# Altium PCB PCB_Core.PcbDoc (part 2 of 2)
Units mil, origin at the board's own origin, x right, y up, seen from the top; angles counter-clockwise.
Board outline 3149.61 x 3149.61 mil, 4 copper layers (Top Layer 1, GND, Power, Bottom Layer 1), stack 59.528 mil thick; 122 components, 101 nets, 562 pads, 232 vias.
Unrouted connection lines stored in the file: 17.
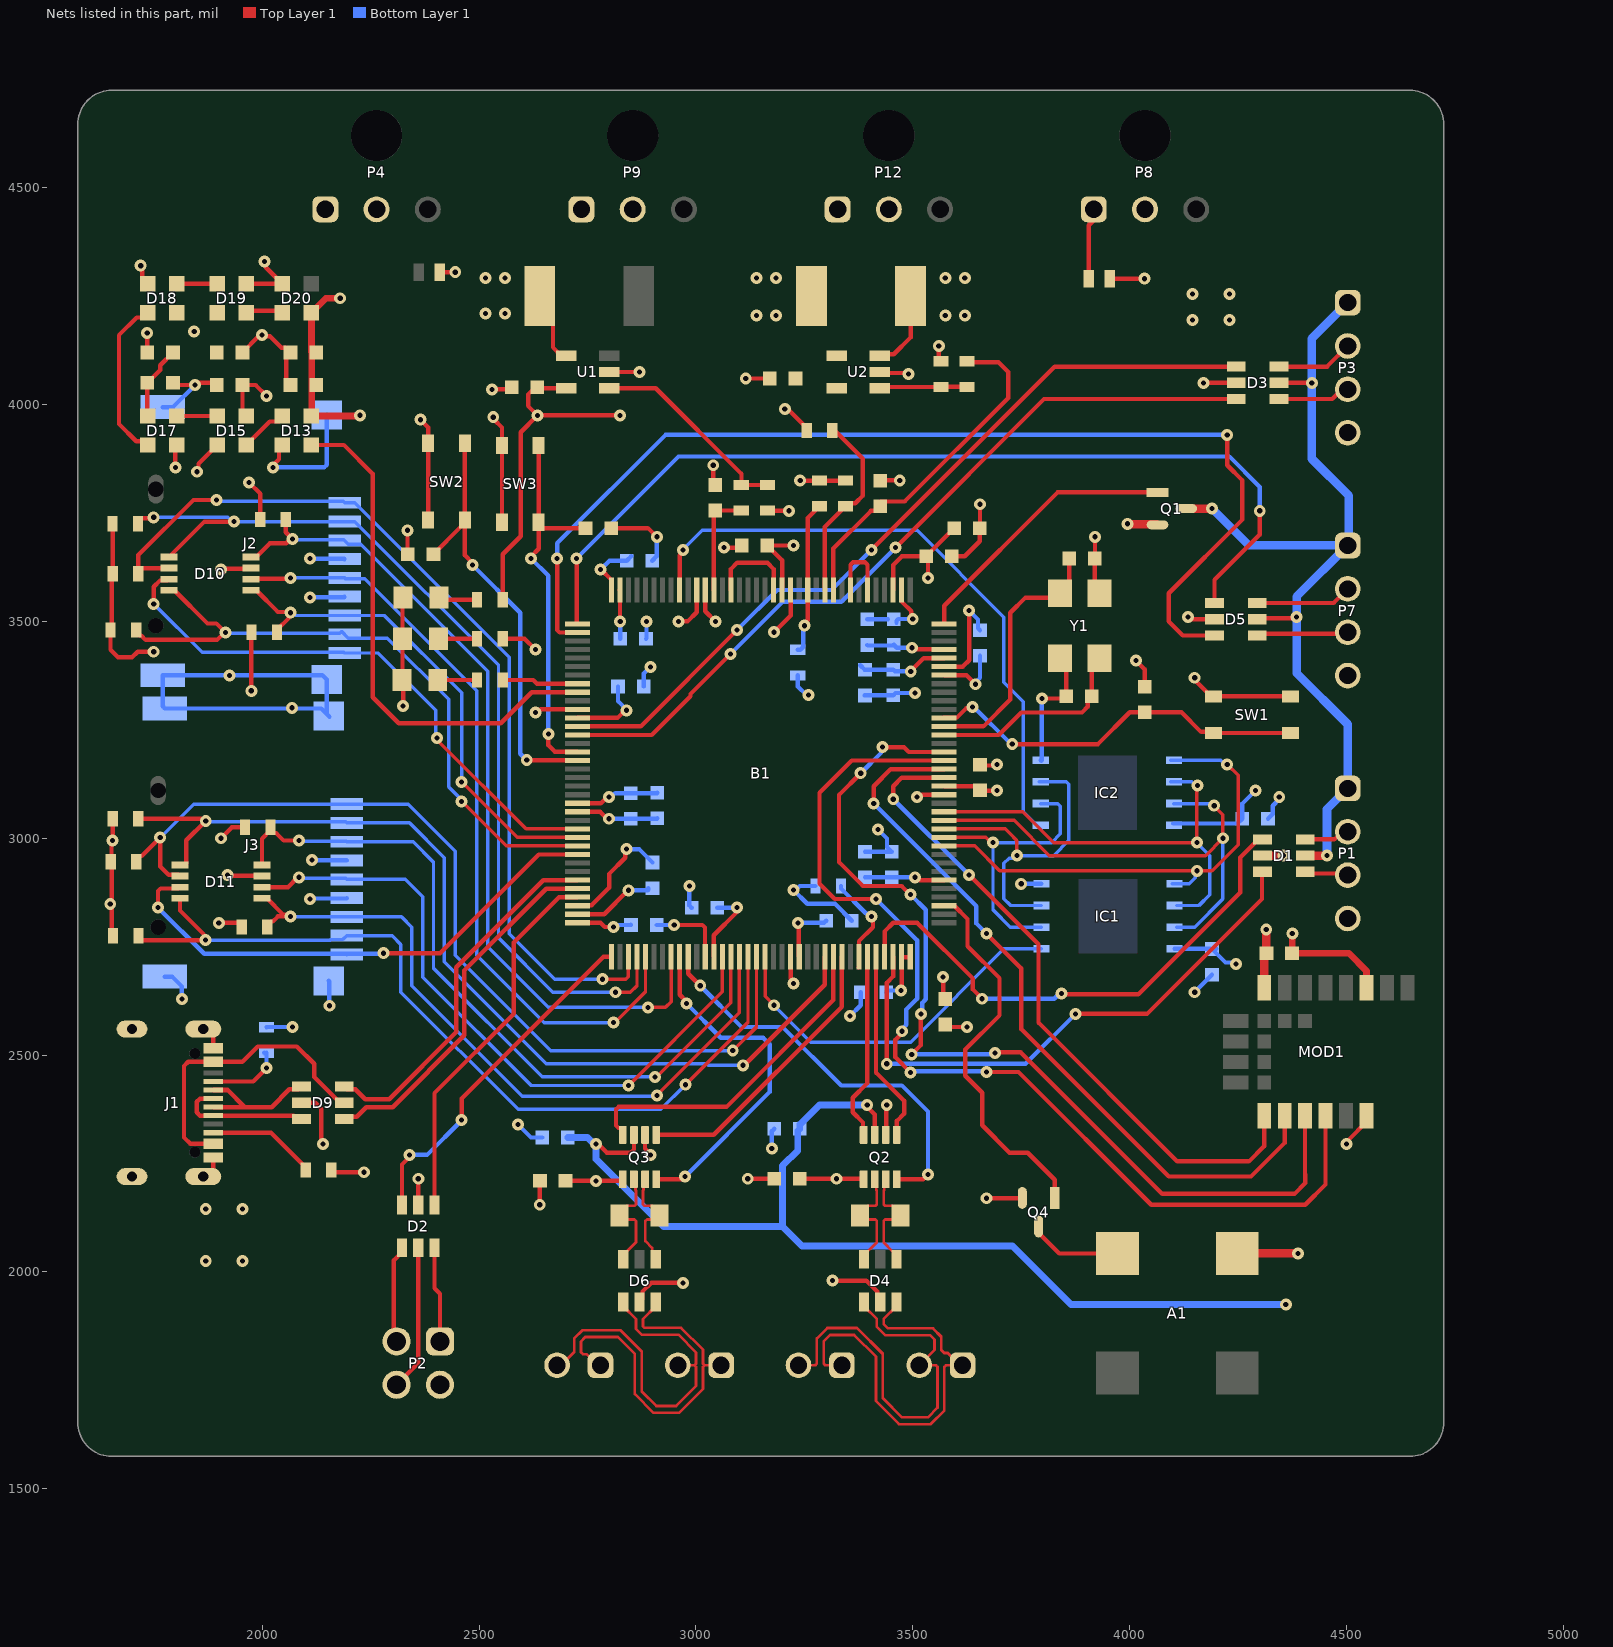
[diagram p4: the nets of this part, all layers, seen from the top]

## Via types
v1: diameter 27.56, hole 11.81, Top Layer 1 to Bottom Layer 1, 228 vias
v2: diameter 137.8, hole 137.8, Top Layer 1 to Bottom Layer 1, 4 vias

## Nets (pads, with @x,y where several pads share a name; then routed paths per layer and width w, separated by ;. In a path a pad name is that pad's centre, name@x,y a point inside that pad or via, vN(x,y) a via of type N, cw(c..) or ccw(c..) an arc to the next point about the centre after c; other vN are vias at no path point) (continued)
3V3_Current-: B1.17 B1.30 B1.39 B1.52 B1.62 B1.72 B1.84 B1.108 B1.121 B1.131 B1.143 B1.144 C3.1 C4.1 C5.1 C6.1 C7.1 C8.1 C9.1 C10.1 C11.1 C12.1 C13.1 C14.1 C31.1 C32.1 C34.1 C37.2 C38.2 C39.2 C40.2 C43.2 C44.2 D13.2 D15.2 D17.2 D18.2 D19.2 D20.2 J2.4 J3.4 MOD1.8 Q2.5 Q3.5 R3.2 R5.1 R16.1 R17.1 R18.1 R19.1 R20.1 R21.1 R22.1 R23.1 R24.1 R25.1 R28.2 SW2.2 SW3.2 U1.4 | length 5024.7
  Top Layer 1 w10: v1(1649.76,2848.09) 1652.97,2844.87 1652.97,2777.97 R25.1@1655.94,2775 ; v1@1650,2850 1650,2853.08 1653.36,2856.44 1653.36,2943.53 R20.1@1650.71,2946.18 1652.85,2948.33 1652.85,2992.85 v1(1655,2995) 1655.24,2995.24 1655.24,3044.76 R21.1@1655.47,3045 ; R17.1@1655,3725 1655.24,3724.76 1655.24,3610.24 R18.1@1655.47,3610 1652.97,3607.5 1652.97,3482.5 R23.1@1650.47,3480 1650.47,3434.53 1667.83,3417.17 1700.12,3417.17 1712.96,3430 v1(1750,3430) ; D17.2@1736.54,3973.46 1735.47,3974.53 C39.2@1735.47,4050 1765,4079.53 1765,4090.47 C40.2@1794.53,4120 ; v1@1842.89,4172.11 1842.89,4168.36 v1(1843.36,4168.36) v1@1847.11,4168.36 ; v1(1900,2805) 1945.95,2805 1952.76,2798.19 R24.1@1952.76,2795.51 ; v1(1905,3000) 1930,3025 R19.1@1960.47,3025 ; D15.2@1963.46,3973.46 1954.53,3982.4 C38.2@1954.53,4045 1985,4045 v1(2010,4020) ; v1(1970,3820) 1995.47,3794.53 R16.1@1995.47,3735 ; v1(1975,3340) 1975,3474.53 R22.1@1975.47,3475 ; v1(2365,3965) 2382.84,3947.16 SW2.2@2382.84,3910.74 SW2.2@2382.84,3733.57 ; v1@2535,3965 2552.84,3947.16 SW3.2@2552.84,3905.74 SW3.2@2552.84,3728.57 ; R28.2@2554.53,3460 2605,3460 v1(2630,3435) ; R5.1@2640,4250 2670.43,4219.57 2670.43,4131.73 2689.76,4112.4 U1.4@2701.57,4112.4 ; C34.1@2699.53,2210 v1(2770,2210) 2770.47,2210.45 2828.24,2210.45 Q3.5@2831.61,2213.82 ; B1.108@2703.72,2805.12 B1.108@2726.85,2805.12 2780.13,2805.12 2790.01,2795.24 2812.5,2795.24 v1@2812.74,2795 ; B1.84@2726.85,3277.56 2819.42,3277.56 2836.86,3295 v1(2840,3295) ; v1(2780,3620) 2780.61,3620 2805.12,3595.49 B1.72@2805.12,3572.36 ; v1(2960,3500) 2980.84,3500 3001.97,3521.13 B1.62@3001.97,3572.36 ; B1.121@3041.34,2726.85 3041.34,2776.59 3095,2830.25 v1(3095,2840) ; B1.52@3198.82,3572.36 3198.82,3640.71 C10.1@3164.53,3675 v1(3225,3675) ; v1(3235,2805) 3237.28,2802.72 3237.28,2727.76 B1.131@3238.19,2726.85 ; C32.1@3239.53,2215 v1(3324.53,2215) ; v1@3325,2215 3385.43,2215 Q2.5@3386.61,2213.82 ; B1.39@3454.72,3572.36 3454.86,3572.5 3454.86,3629.86 3475,3650 C11.1@3530.94,3650 ; v1(3473.09,2648.81) 3474.7,2650.42 3474.7,2707.46 B1.143@3474.7,2725.33 ; B1.143@3474.41,2726.85 3474.7,2726.56 B1.143@3474.7,2725.33 ; B1.144@3494.09,2726.85 3493.19,2725.94 3475.31,2725.94 B1.143@3474.7,2725.33 ; v1(3535,3600) 3535,3645.94 C11.1@3530.94,3650 ; v1(3570,2680) 3570,2634.53 C7.1@3575,2629.53 ; B1.17@3572.36,3120.08 C12.1@3655,3120.08 ; B1.30@3572.36,3375.98 3624.02,3375.98 v1(3645,3355) ; C3.1@3595,3715.47 C3.1@3595.47,3715 3541.69,3661.22 3541.69,3660.75 C11.1@3530.94,3650 ; C12.1@3655,3109.61 3684.61,3109.61 v1@3685,3110 ; C12.1@3655,3110.47 3655.47,3110 v1(3694.53,3110)
  Top Layer 1 w15.75: v1(2180,4245) 2146.93,4245 D20.2@2113.46,4211.54 2113.46,4121.06 2114.53,4120 2114.53,3974.53 D13.2@2113.46,3973.46 2224.26,3973.46 v1(2225.95,3975.16)
  Top Layer 1 w19.68: MOD1.8@4310,2655.28 4310,2729.53 C31.1@4315.47,2735 4315,2735.47 v1(4315,2790)
  Bottom Layer 1 w10: v1(2110,3645) 2110.73,3644.27 2189.31,3644.27 J2.4@2190.04,3643.54 ; v1(2115,2950) 2115.67,2949.33 2194.45,2949.33 J3.4@2195.12,2948.66 ; v1(2780,3620) 2780.7,3620 2800.7,3640 C14.1@2840.47,3640 C14.1@2851.22,3650.75 ; v1(2810.47,2795) 2815.22,2795 2820.22,2800 C13.1@2850.47,2800 C13.1@2850,2800.47 ; C9.1@2820.47,3350 2820.47,3316.17 2840,3296.65 v1(2840,3295) ; C5.1@3049.53,2840 v1(3095,2840) ; v1(3235,2805) 3295.47,2805 C4.1@3300.47,2810 ; R3.2@3235,3375.47 3235,3350 v1@3255,3330 ; C6.1@3439.06,2645 3442.87,2648.81 v1(3473.09,2648.81) ; v1(3645,3355) 3645,3359.75 3655,3369.75 C8.1@3655,3420.47
  other v1: 3260,3330 2532.84,3970.74 2515,4210 2560,4210 2515,4291.34 2560,4291.34
3V3_Follower: B1.53 B1.58 | length 207
  Top Layer 1 w10: B1.58@3080.71,3572.36 3080.71,3620.71 3095,3635 3165,3635 3179.13,3620.87 B1.53@3179.13,3572.36
3V3_V_Sensing: B1.49 R3.1 R7.2 | length 355.1
  Top Layer 1 w10: v1(3250,3490) 3250,3494.75 3257.87,3502.63 3257.87,3738.35 R7.2@3285,3765.47
  Bottom Layer 1 w10: R3.1@3235,3434.53 3240.91,3434.53 3247.72,3441.34 3247.72,3487.72 v1(3250,3490)
3V3Connector: D2.5 P2.4 | length 336.5
  Top Layer 1 w10: P2.4@2310,1740 2360,1790 D2.5@2360,2055.79
3V_ASensing: B1.60 C28.2 R8.2 | length 244.6
  Top Layer 1 w10: B1.60@3041.34,3572.36 3041.34,3751.81 C28.2@3045,3755.47 R8.2@3105,3755.47
5V_ASensing: B1.46 C29.2 R9.2 | length 814
  Top Layer 1 w10: B1.46@3316.93,3572.36 3316.93,3668.15 3403.5,3754.72 3414.25,3754.72 C29.2@3425,3765.47 3425,3776.22 3481.22,3776.22 3720,4015 3720,4075 3697.74,4097.26 3627.26,4097.26 R9.2@3625,4099.53
5V_Current+: D7.1 D9.5 J1.A4/B9 J1.A9/B4 P4.1 P8.1 P9.1 P12.1 R4.2 U2.3 | length 1041.7
  Top Layer 1 w10: J1.A9/B4@1886.93,2295.51 1834.49,2295.51 1820,2310 1820,2475 1829.49,2484.49 J1.A4/B9@1886.93,2484.49 1954.49,2484.49 1990,2520 2080,2520 2120,2480 2120,2449.37 2179.37,2390 D9.5@2189.21,2390 ; U2.3@3423.43,4112.4 3426.78,4115.76 3456.19,4115.76 3495,4154.57 R4.2@3495,4270 ; D7.1@3905.89,4290 3905.89,4413.48 P8.1@3917.32,4424.92
  other v1: 1870,2025 1955,2025 1870,2145 1955,2145 3575,4205 3620,4205 3575,4291.34 3620,4291.34
5V_Current-: A1.P C26.2 C27.2 C30.1 C33.1 C35.2 C36.2 D1.5 D3.5 D5.5 IC1.8 IC2.8 P1.4 P3.4 P7.4 Q2.3 Q3.3 R2.2 R4.1 R27.1 U1.5 U2.4 U2.5 | length 4071.1
  Top Layer 1 w10: R27.1@2554.53,3550 2554.53,3654.53 2596.19,3696.19 2596.19,3936.19 v1(2635,3975) ; U1.5@2701.57,4037.6 2627.6,4037.6 2613.17,4023.17 2613.17,3996.83 v1(2635,3975) ; v1(2770,2295) 2774.75,2295 2794.75,2275 2850,2275 2857.2,2282.2 Q3.3@2857.2,2316.18 ; v1(2825,3975) v1(2635,3975) ; v1(3205,3990) 3208.36,3986.64 3214.74,3986.64 3255.47,3945.91 R2.2@3255.47,3940 ; v1(3395,2385) 3395,2380.25 3412.2,2363.04 Q2.3@3412.2,2316.18 ; v1(4135,3510) 4140,3505 D5.5@4195.79,3505 ; v1(4170,4050) D3.5@4245.79,4050
  Top Layer 1 w19.68: A1.P@4247.8,2042.8 v1(4387.8,2042.8) ; D1.5@4306.57,2960 v1(4355,2960)
  Bottom Layer 1 w10: IC2.8@4100.92,3033.86 4248.86,3033.86 C36.2@4260,3045 4260,3080 v1(4290,3110) ; IC1.8@4103.62,2745 C35.2@4189.53,2745 ; C35.2@4199.53,2745 C35.2@4189.53,2745 ; v1(4245,2710) 4241.64,2713.36 4221.17,2713.36 C35.2@4190,2744.53 C35.2@4189.53,2745
  Bottom Layer 1 w15.75: C33.1@2704.53,2310 2750.25,2310 2765.25,2295 v1(2770,2295) 2770,2260 2925,2105 3200,2105 ; C30.1@3235,2325 3235,2280 3200,2245 3200,2105 ; C30.1@3239.53,2330 3239.53,2340 3240.28,2340.75 3240.75,2340.75 3285,2385 v1(3395,2385) ; v1(4360,1925) 3865,1925 3730,2060 3245,2060 3200,2105
  other v1: 4145,4195 4230,4195 3140,4205 3185,4205 4145,4255 4230,4255 3140,4291.34 3185,4291.34
5V_Follower: B1.42 B1.44 | length 160.4
  Top Layer 1 w10: B1.44@3356.3,3572.36 3356.3,3630.44 3362.16,3636.3 3389.81,3636.3 3395.67,3630.44 B1.42@3395.67,3572.36
5V_V_Sensing: B1.47 R2.1 R6.2 | length 443.8
  Top Layer 1 w10: B1.47@3297.24,3572.36 3297.24,3717.72 R6.2@3345,3765.47 3351.81,3772.28 3367.28,3772.28 3385,3790 3385,3875 R2.1@3317.26,3942.74
ALARM: B1.3 Q4.1 | length 882.7
  Top Layer 1 w10: B1.3@3572.36,2844.49 3595.49,2844.49 3626.24,2813.74 3626.24,2751.24 3700,2677.48 3700,2591.56 3621.22,2512.78 3621.22,2452.22 3660,2413.44 3660,2338.16 3723.16,2275 3765,2275 3827.4,2212.6 Q4.1@3827.4,2170.76
BUTTON_1: B1.89 C41.2 SW2.1 | length 1015.6
  Top Layer 1 w10: C41.2@2395,3655 2458.7,3718.7 2458.7,3724.79 SW2.1@2467.48,3733.57 ; SW2.1@2467.48,3910.74 SW2.1@2467.48,3733.57 ; v1(2485,3630) 2485,3634.75 2467.48,3652.27 SW2.1@2467.48,3733.57 ; v1(2610,3180) 2610.43,3179.57 2726.42,3179.57 B1.89@2726.85,3179.13
  Bottom Layer 1 w10: v1(2485,3630) 2595,3520 2595,3195 v1(2610,3180)
BUTTON_2: B1.88 C42.2 SW3.1 | length 895.3
  Top Layer 1 w10: v1(2620,3645) 2620,3649.75 2637.48,3667.24 2637.48,3723.78 2646.26,3715 C42.2@2745.47,3715 ; SW3.1@2637.48,3728.57 SW3.1@2637.48,3905.74 ; v1(2660,3240) 2660,3214.42 2674.69,3199.72 2725.94,3199.72 B1.88@2726.85,3198.82
  Bottom Layer 1 w10: v1(2620,3645) 2660,3605 v1(2660,3240)
CAM1_RX: B1.141 D1.4 | length 1226.6
  Top Layer 1 w10: B1.141@3435.04,2726.85 3435.04,2785.04 3455,2805 3510,2805 3638.61,2676.39 3638.61,2651.39 v1(3660,2630) ; v1(3843.17,2642.41) 3845.57,2640 4020,2640 4255,2875 4255,2955.67 4296.73,2997.4 D1.4@4306.57,2997.4
  Bottom Layer 1 w10: v1(3660,2630) 3826.01,2630 3838.42,2642.41 v1(3843.17,2642.41)
CAM1_TX: B1.142 D1.6 | length 1348.4
  Top Layer 1 w10: v1(3440,2480) 3440,2666.56 3454.72,2681.28 B1.142@3454.72,2726.85 ; v1(3875,2595) 4040,2595 4305,2860 4305,2921.02 D1.6@4306.57,2922.6 D1.6@4296.73,2922.6
  Bottom Layer 1 w10: v1(3440,2480) 3760,2480 v1(3875,2595)
CAM2_RX: B1.85 D3.4 | length 1862.5
  Top Layer 1 w10: B1.85@2726.85,3257.87 2872.87,3257.87 v1(3095,3480) ; v1(3405,3665) 3827.4,4087.4 D3.4@4245.79,4087.4
  Bottom Layer 1 w10: v1(3095,3480) 3187.5,3572.5 3312.5,3572.5 v1(3405,3665)
CAM2_TX: B1.86 D3.6 | length 1842.6
  Top Layer 1 w10: B1.86@2726.85,3238.19 2898.19,3238.19 2987.41,3327.41 2987.41,3332.41 v1(3080,3425) ; v1(3460,3670) 3802.6,4012.6 D3.6@4245.79,4012.6
  Bottom Layer 1 w10: v1(3080,3425) 3200,3545 3335,3545 v1(3460,3670)
CAM3_RX: B1.73 D5.4 | length 2164.3
  Top Layer 1 w10: v1(2725,3645) 2725,3495 2725.91,3494.09 B1.73@2726.85,3494.09 ; D5.4@4195.79,3542.4 4195.79,3595.79 4300,3700 v1(4300,3755)
  Bottom Layer 1 w10: v1(2725,3645) 2960,3880 4230,3880 4300,3810 v1(4300,3755)
CAM3_TX: B1.74 D5.6 | length 2531.7
  Top Layer 1 w10: v1(2680,3645) 2680,3480.27 2685.86,3474.41 B1.74@2726.85,3474.41 ; D5.6@4195.79,3467.6 4122.4,3467.6 4090,3500 4090,3565 4260,3735 4260,3825.12 4225,3860.12 v1(4225,3930)
  Bottom Layer 1 w10: v1(2680,3645) 2680,3680 2930,3930 v1(4225,3930)
CAM_ON: B1.36 Q1.1 | length 642.1
  Top Layer 1 w10: B1.36@3572.36,3494.09 3572.36,3536.11 3833.66,3797.4 Q1.1@4064.24,3797.4
CAN1_N: D4.6 Q2.6 R12.1 | length 255.9
  Top Layer 1 w6.3: D4.6@3387.6,2029.21 3387.6,2039.06 3417.13,2068.58 3417.13,2117.45 3413.44,2121.14 3387.6,2121.14 R12.1@3378.74,2130 3378.74,2134.92 3396.26,2152.44 3413.44,2152.44 3417.13,2156.13 3417.13,2187.51 3415.79,2188.84 3415.79,2210.24 Q2.6@3412.2,2213.82
CAN1_P: D4.4 Q2.7 R12.2 | length 255.9
  Top Layer 1 w6.3: Q2.7@3437.8,2213.82 3434.21,2210.24 3434.21,2188.84 3432.87,2187.51 3432.87,2156.13 3436.56,2152.44 3453.74,2152.44 3471.26,2134.92 R12.2@3471.26,2130 3462.4,2121.14 3436.56,2121.14 3432.87,2117.45 3432.87,2068.58 3453.74,2047.72 3462.4,2039.06 D4.4@3462.4,2029.21
CAN2_N: D6.6 Q3.6 R13.1 | length 255.9
  Top Layer 1 w6.3: D6.6@2832.6,2029.21 2832.6,2039.06 2862.13,2068.58 2862.13,2117.45 2858.44,2121.14 2832.6,2121.14 R13.1@2823.74,2130 2823.74,2134.92 2841.26,2152.44 2858.44,2152.44 2862.13,2156.13 2862.13,2187.51 2860.79,2188.84 2860.79,2210.24 Q3.6@2857.2,2213.82
CAN2_P: D6.4 Q3.7 R13.2 | length 247.9
  Top Layer 1 w6.3: Q3.7@2882.8,2213.82 2879.21,2210.24 2879.21,2188.84 2877.87,2187.51 2877.87,2156.13 2881.56,2152.44 2898.74,2152.44 2916.26,2134.92 R13.2@2916.26,2130 2907.4,2121.14 2887.21,2121.14 2883.52,2117.45 2883.52,2071.03 2899.25,2055.29 2899.25,2037.36 D6.4@2907.4,2029.21
CAN_1_STB: B1.118 Q2.8 | length 944.7
  Top Layer 1 w10: B1.118@2982.28,2726.85 2982.28,2687.72 v1(3010,2660) ; Q2.8@3463.39,2213.82 3523.82,2213.82 v1(3535,2225)
  Bottom Layer 1 w10: v1(3010,2660) 3105,2565 3200,2565 3335,2430 3475,2430 3535,2370 v1(3535,2225)
CAN_2_STB: B1.117 Q3.8 | length 799.5
  Top Layer 1 w10: Q3.8@2908.39,2213.82 2968.82,2213.82 v1(2975,2220) ; B1.117@2962.6,2726.85 2962.6,2639.37 2978.16,2623.8 v1(2978.16,2619.05)
  Bottom Layer 1 w10: v1@2975.35,2220.35 3170,2415 3170,2525 3155,2540 3057.21,2540 v1(2978.16,2619.05)
FDCAN1_RX: B1.139 Q2.4 | length 435.1
  Top Layer 1 w10: Q2.4@3386.61,2316.18 3385.42,2317.38 3385.42,2344.58 3361.64,2368.36 3361.64,2401.64 3394.76,2434.76 3394.76,2725.94 B1.139@3395.67,2726.85
FDCAN1_TX: B1.140 Q2.1 | length 444.3
  Top Layer 1 w10: B1.140@3415.35,2726.85 3415.35,2459.65 3480,2395 3480,2365 3463.39,2348.39 Q2.1@3463.39,2316.18
FDCAN2_RX: B1.135 Q3.4 | length 774.4
  Top Layer 1 w10: Q3.4@2831.61,2316.18 2831.61,2327.99 2827.76,2331.85 2821.57,2331.85 2815.71,2337.71 2815.71,2374.85 2821.57,2380.71 3070.71,2380.71 3316.93,2626.93 B1.135@3316.93,2726.85
FDCAN2_TX: B1.136 Q3.1 | length 665.8
  Top Layer 1 w10: Q3.1@2908.39,2316.18 3041.18,2316.18 3336.61,2611.61 B1.136@3336.61,2726.85
GND: B1.16 B1.31 B1.38 B1.51 B1.61 B1.83 B1.94 B1.107 B1.120 B1.130 C1.2 C2.2 C3.2 C4.2 C5.2 C6.2 C7.2 C8.2 C9.2 C10.2 C11.2 C12.2 C13.2 C14.2 C15.2 C16.2 C17.2 C18.2 C19.1 C20.1 C21.2 C22.2 C23.2 C24.2 C25.1 C26.1 C27.1 C28.1 C29.1 C30.2 C31.2 C32.2 C33.2 C34.2 C35.1 C36.1 C37.1 C38.1 C39.1 C40.1 C41.1 C42.1 C43.1 C44.1 D2.2 D4.2 D6.2 D7.2 D8.2 D9.2 D10.7 D11.7 D12.1 D13.4 D14.1 D15.4 D16.1 D17.4 D18.4 D19.4 D20.4 IC1.4 IC2.4 J1.A1/B12 J1.A12/B1 J1.Shell J2.6 J2.10 J2.11 J2.12 J2.13 J3.6 J3.10 J3.11 J3.12 J3.13 MOD1.3 MOD1.18 P2.2 P4.2 P8.2 P9.2 P12.2 Q1.2 Q2.2 Q3.2 Q4.2 R1.2 R6.1 R7.1 R10.1 R11.1 R14.2 R15.2 SW1.2 U1.2 U2.2 Y1.2 Y1.4 | length 8499.7
  Top Layer 1 w10: v1(1720,4320) 1720,4315.25 1723.82,4311.43 1723.82,4291.18 D18.4@1736.54,4278.46 ; v1(1735,4165) 1735,4130.75 1740.75,4125 1745,4125 1740,4120 C40.1@1735.47,4120 ; C39.1@1794.53,4050 1799.53,4045 v1(1845,4045) ; v1(1800,3855) 1800,3903.07 D17.4@1803.46,3906.54 ; v1@1845,4050 1890.47,4050 C38.1@1895.47,4045 ; v1(1850,3845) 1853.36,3848.36 1853.36,3863.36 D15.4@1896.54,3906.54 ; J1.Shell@1864.49,2219.92 1873.36,2219.92 1886.93,2233.49 J1.A12/B1@1886.93,2264.02 J1.A12/B1@1887.42,2264.51 ; J1.Shell@1864.49,2560.08 1873.36,2560.08 1886.93,2546.51 J1.A1/B12@1886.93,2515.98 ; v1(1905,3620) 1906.4,3621.4 1973.09,3621.4 D10.7@1974.49,3622.8 ; v1(1920,2915) 1921.1,2913.9 1998.39,2913.9 D11.7@1999.49,2912.8 ; C43.1@1954.53,4120 1991.17,4156.64 1996.64,4156.64 v1(2000,4160) 2002.61,4157.39 2018.09,4157.39 2044.72,4130.75 2054.72,4130.75 2055.47,4130 C37.1@2055.47,4045 ; D19.4@1963.46,4278.46 D20.4@2046.54,4278.46 2008.36,4316.64 2008.36,4326.64 v1(2005,4330) ; v1(2025,3855) 2025,3859.75 2038.82,3873.57 2038.82,3893.82 D13.4@2051.54,3906.54 ; D9.2@2090.79,2390 2122.25,2390 2136.64,2375.61 2136.64,2298.36 v1(2140,2295) ; R14.2@2159.53,2235 2164.53,2230 v1(2235,2230) ; D14.1@2323.66,3550 D16.1@2323.66,3460 2323.66,3366.34 D12.1@2322.32,3365 2325,3362.32 v1(2325,3305) ; v1(2335,3710) 2335,3655.94 C41.1@2335.94,3655 ; D2.2@2360,2154.21 v1(2360,2215) ; D8.2@2409.11,4305 v1(2445.2,4305) ; v1(2530,4035) 2570.47,4035 C26.1@2575.47,4040 ; v1(2630,3290) 2634.75,3290 2642,3297.24 B1.83@2726.85,3297.24 ; v1(2640,2155) 2640,2209.53 C34.2@2640.47,2210 ; B1.107@2726.85,2824.8 2726.95,2824.9 2788.7,2824.9 2843.8,2880 v1(2845,2880) ; B1.94@2726.85,3080.71 2780.96,3080.71 2795.25,3095 v1(2800,3095) ; U1.2@2800,4075 v1(2870,4075) ; C42.1@2804.53,3715 2889.3,3715 2909.3,3695 v1(2910,3695) ; D6.2@2870,1930.79 2876.81,1937.6 2876.81,1954.87 2896.94,1975 v1(2970,1975) ; Q3.2@2882.8,2316.18 2882.8,2283.97 2895,2271.76 v1(2895,2270) ; v1(2950,2800) 3015,2800 3020.83,2794.17 3020.83,2727.68 B1.120@3021.65,2726.85 ; B1.61@3021.65,3572.36 3021.65,3523.35 v1(3045,3500) ; v1(3040,3860) 3040,3819.53 C28.1@3045,3814.53 ; v1(3065,3670) 3100.47,3670 C10.2@3105.47,3675 ; v1(3115,4060) 3165,4060 3170,4065 3170.47,4064.53 C27.1@3170.47,4060 ; v1(3119.53,2215) C32.2@3180.47,2215 ; R10.1@3165,3755.47 3165.24,3755.24 3214.76,3755.24 v1(3215,3755) ; v1(3180,3475) 3218.5,3513.5 B1.51@3218.5,3572.36 ; B1.130@3217.6,2750.89 3218.5,2749.98 B1.130@3218.5,2726.85 3218.5,2676.25 3225,2669.75 v1(3225,2665) ; v1@3240,3825 v1(3240.47,3824.53) R7.1@3285,3824.53 R6.1@3345,3824.53 ; v1(3315,1980) 3393.06,1980 3418.19,1954.87 3418.19,1937.6 D4.2@3425,1930.79 ; U2.2@3420.67,4075 3423.17,4072.5 3487.5,4072.5 v1(3490,4070) ; C29.1@3425,3824.53 3425.47,3825 v1(3470,3825) ; Q2.2@3437.8,2316.18 3438.9,2317.28 3438.9,2383.9 v1(3440,2385) ; B1.38@3474.41,3572.36 3475.31,3571.46 3475.31,3544.69 3496.89,3523.11 3496.89,3508.63 v1(3500,3505.52) ; v1(3510,3095) 3514.75,3095 3520.15,3100.39 B1.16@3572.36,3100.39 ; v1(3560,4135.12) 3560,4104.53 R11.1@3565,4099.53 ; B1.31@3572.36,3395.67 3615.13,3395.67 3630,3410.54 v1(3630,3525) ; C7.2@3575,2570.47 3580.47,2565 v1(3625,2565) ; C11.2@3590,3650 3620,3650 3654.53,3684.53 C3.2@3654.53,3715 3655,3715.47 v1(3655,3770) ; C12.2@3655,3169.53 3656.75,3167.78 3692.31,3167.78 v1(3694.53,3170) ; v1(3670,2170) 3670.38,2170.38 3752.22,2170.38 Q4.2@3752.6,2170.76 ; v1(3797.75,3322.25) 3848.57,3322.25 C1.2@3853.49,3327.17 3853.49,3396.44 Y1.4@3844.72,3405.2 ; v1(3920,3695) 3920,3645.47 C2.2@3919.53,3645 3919.53,3570.55 Y1.2@3935.28,3554.8 ; D7.2@3954.11,4290 v1(4034.11,4290) ; v1(3995,3725) v1@3996.2,3723.8 ; v1(4015,3410) 4015,3409.3 4035,3389.3 C25.1@4035,3349.53 ; Q1.2@4063.04,3723.8 Q1.2@4064.24,3722.6 ; v1(4150,3370) 4153.36,3366.64 4153.36,3361.47 4187.67,3327.16 SW1.2@4193.57,3327.16 SW1.2@4370.74,3327.16 ; v1(4500,2295) 4503.36,2298.36 4503.36,2303.36 4546.22,2346.22 MOD1.18@4546.22,2360
  Top Layer 1 w15.75: v1(4375,2780) 4375,2735.47 C31.2@4374.53,2735 4505.17,2735 4546.22,2693.95 MOD1.3@4546.22,2655.28 MOD1.3@4545,2656.5
  Top Layer 1 w19.68: v1@3996.2,3723.8 Q1.2@4063.04,3723.8
  Bottom Layer 1 w10: J2.13@1770.75,3993.94 1794.37,3993.94 1845,4044.57 v1(1845,4045) ; J3.12@1775.83,2680.94 1792.44,2680.94 1815,2658.39 v1(1815,2629.61) ; R15.2@2010,2564.53 2010,2565 2010.24,2564.76 2069.76,2564.76 v1(2070,2565) ; v1(2025,3855) 2142.84,3855 2148.7,3860.86 J2.11@2148.7,3976.22 ; v1(2110,2860) 2111.02,2861.02 2194.09,2861.02 J3.6@2195.12,2862.05 ; v1(2110,3555) 2110.96,3555.96 2189.07,3555.96 J2.6@2190.04,3556.93 ; J3.10@2153.78,2671.1 2155,2669.88 v1(2155,2613.86) ; J3.11@2155.12,3280 J3.11@2148.7,3286.42 ; v1(2590,2340) 2620,2310 C33.2@2645.47,2310 ; v1(2800,3095) 2804.75,3095 2813.81,3104.06 C21.2@2850,3104.06 2910.46,3104.06 C22.2@2911.18,3104.78 ; v1(2845,2880) 2889.25,2880 2890.47,2881.22 C20.1@2890.47,2884.53 ; C9.2@2879.53,3350 2880,3350 2880,3380 v1(2895,3395) ; C19.1@2885,3460 2885.94,3460.94 v1(2885.94,3500) ; C14.2@2899.53,3640 2910,3650.47 v1(2910,3695) ; C13.2@2909.53,2800 v1(2950,2800) ; v1(2985,2890) 2985,2845 2990,2840 C5.2@2990.47,2840 ; v1(3175,2285) 3175,2324.53 C30.2@3180.47,2330 ; R1.2@3275.47,2890 3239.28,2890 3229.75,2880.47 v1(3225,2880.47) 3256.54,2848.93 3320.6,2848.93 C4.2@3359.53,2810 ; v1(3355,2590) 3380,2615 C6.2@3380,2645 ; C15.2@3388.81,3329.17 3389.33,3329.69 C16.2@3454.89,3329.69 3460.2,3335 v1(3505,3335) ; C24.2@3390,2969.06 C23.2@3451.18,2969.06 3440.43,2979.8 3440.43,2999.57 v1(3420,3020) ; C17.2@3395,3504.53 C18.2@3442.9,3504.53 ; C18.2@3462.62,3496.48 3462.62,3501.21 3466.93,3505.52 v1(3500,3505.52) ; v1(3630,3525) 3650.58,3504.42 3650.58,3483.95 C8.2@3655,3479.53 ; v1(3750,2895) IC1.4@3796.54,2895 ; IC2.4@3795,3180 IC2.4@3796.46,3178.54 ; IC2.4@3797.75,3180 v1(3797.75,3322.25) ; v1(4150,2645) 4150,2645.47 C35.1@4190,2685.47 ; C36.1@4319.06,3045 4329.8,3055.75 4329.8,3075.05 4345,3090.25 v1(4345,3095) ; J3.11@2148.7,3286.42 2136.06,3299.06 J3.13@1775.83,3299.06 1770.75,3304.13 J2.12@1770.75,3375.83 2138.86,3375.83 J2.10@2148.7,3365.98 J3.11@2148.7,3286.42